# KiCad board backplane.kicad_pcb (continued)
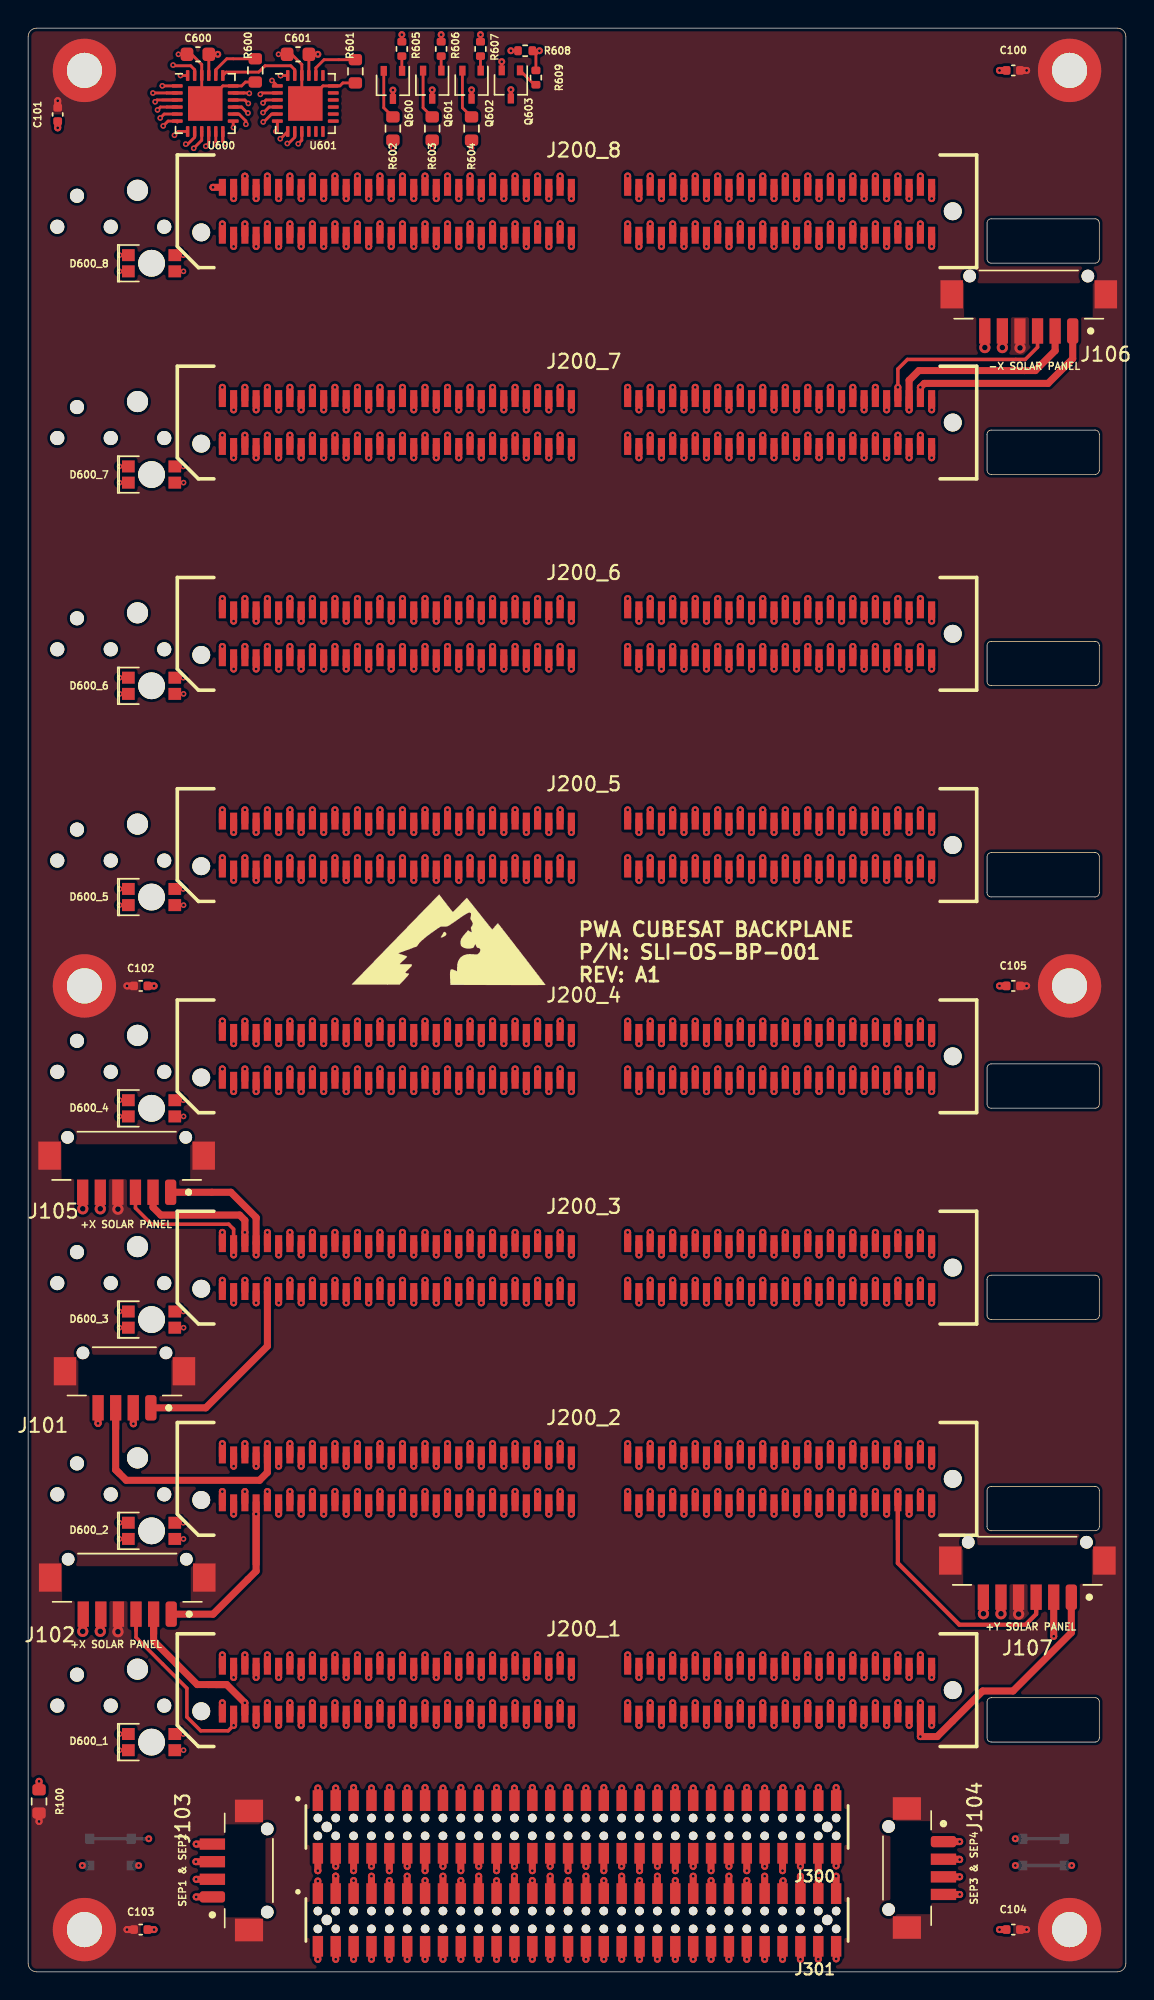
[diagram p0: board, top side]
## Routing (per net, layer and track width the routed paths; a pad name or vN(x,y) marks a point on that pad's centre or on a via; arc(x,y) is an arc through that point) (continued)
  In3.Cu w0.5: v1(52.2,127.5) 52.2,125.5 53,124.65 53,123.67 52.2,122.87 v1(52.2,112.5) 52.2,110.5 53,109.65 53,108.67 52.2,107.87 v1(52.2,97.5) 52.2,95.5 53,94.65 53,93.67 52.2,92.87 v1(52.2,82.5) 52.2,80.5 53,79.65 53,78.67 52.2,77.87 v1(52.2,67.5) 52.2,65.5 53,64.65 53,63.67 52.2,62.87 v1(52.2,52.5) 52.2,50.5 53,49.65 53,48.67 52.2,47.87 v1(52.2,37.5) 52.2,35.5 53,34.65 53,33.67 52.2,32.87 v1(52.2,22.5)
/H1-43: length 125.4
  Top w0.5: v1(53.8,124.1) 53.8,123.2 ; v1(53.8,19.1) 53.8,18.2 ; v1(53.8,34.1) 53.8,33.2 ; v1(53.8,49.1) 53.8,48.2 ; v1(53.8,64.1) 53.8,63.2 ; v1(53.8,79.1) 53.8,78.2 ; v1(53.8,94.1) 53.8,93.2 ; v1(53.8,109.1) 53.8,108.2 ; J300.47 v1(49.79,13.05)
  In1.Cu w0.25: v1(49.79,13.05) 53.8,17.05 v1(53.8,19.1)
  In1.Cu w0.5: v1(53.8,124.1) 53.8,122.3 54.6,121.5 54.6,112.1 53.8,111.3 v1(53.8,109.1) 53.8,107.3 54.6,106.5 54.6,97.1 53.8,96.3 v1(53.8,94.1) 53.8,92.3 54.6,91.5 54.6,82.1 53.8,81.3 v1(53.8,79.1) 53.8,77.3 54.6,76.5 54.6,67.1 53.8,66.3 v1(53.8,64.1) 53.8,62.3 54.6,61.5 54.6,52.1 53.8,51.3 v1(53.8,49.1) 53.8,47.3 54.6,46.5 54.6,37.1 53.8,36.3 v1(53.8,34.1) 53.8,32.3 54.6,31.5 54.6,22.1 53.8,21.3 v1(53.8,19.1)
/H1-44: length 135.6
  Top w0.5: v1(53.8,127.5) 53.8,126.6 ; v1(53.8,22.5) 53.8,21.6 ; v1(53.8,37.5) 53.8,36.6 ; v1(53.8,52.5) 53.8,51.6 ; v1(53.8,67.5) 53.8,66.6 ; v1(53.8,82.5) 53.8,81.6 ; v1(53.8,97.5) 53.8,96.6 ; v1(53.8,112.5) 53.8,111.6 ; J300.48 v1(49.79,7.49)
  In3.Cu w0.25: v1(53.8,22.5) 53.8,19.95 54.38,19.38 54.38,18.72 53.58,17.92 53.58,17.22 53.28,16.92 52.81,16.92 49.16,13.27 49.16,8.13 v1(49.79,7.49)
  In3.Cu w0.5: v1(53.8,127.5) 53.8,125.5 54.6,124.65 54.6,123.67 53.8,122.87 v1(53.8,112.5) 53.8,110.5 54.6,109.65 54.6,108.67 53.8,107.87 v1(53.8,97.5) 53.8,95.5 54.6,94.65 54.6,93.67 53.8,92.87 v1(53.8,82.5) 53.8,80.5 54.6,79.65 54.6,78.67 53.8,77.87 v1(53.8,67.5) 53.8,65.5 54.6,64.65 54.6,63.67 53.8,62.87 v1(53.8,52.5) 53.8,50.5 54.6,49.65 54.6,48.67 53.8,47.87 v1(53.8,37.5) 53.8,35.5 54.6,34.65 54.6,33.67 53.8,32.87 v1(53.8,22.5)
/H1-45: length 125.6
  Top w0.5: v1(55.4,124.1) 55.4,123.2 ; v1(55.4,19.1) 55.4,18.2 ; v1(55.4,34.1) 55.4,33.2 ; v1(55.4,49.1) 55.4,48.2 ; v1(55.4,64.1) 55.4,63.2 ; v1(55.4,79.1) 55.4,78.2 ; v1(55.4,94.1) 55.4,93.2 ; v1(55.4,109.1) 55.4,108.2 ; J300.49 v1(51.07,13.08)
  In1.Cu w0.25: v1(51.07,13.08) 51.07,13.11 55.4,17.45 v1(55.4,19.1)
  In1.Cu w0.5: v1(55.4,124.1) 55.4,122.3 56.2,121.5 56.2,112.1 55.4,111.3 v1(55.4,109.1) 55.4,107.3 56.2,106.5 56.2,97.1 55.4,96.3 v1(55.4,94.1) 55.4,92.3 56.2,91.5 56.2,82.1 55.4,81.3 v1(55.4,79.1) 55.4,77.3 56.2,76.5 56.2,67.1 55.4,66.3 v1(55.4,64.1) 55.4,62.3 56.2,61.5 56.2,52.1 55.4,51.3 v1(55.4,49.1) 55.4,47.3 56.2,46.5 56.2,37.1 55.4,36.3 v1(55.4,34.1) 55.4,32.3 56.2,31.5 56.2,22.1 55.4,21.3 v1(55.4,19.1)
/H1-46: length 136.6
  Top w0.5: v1(55.4,127.5) 55.4,126.6 ; v1(55.4,22.5) 55.4,21.6 ; v1(55.4,37.5) 55.4,36.6 ; v1(55.4,52.5) 55.4,51.6 ; v1(55.4,67.5) 55.4,66.6 ; v1(55.4,82.5) 55.4,81.6 ; v1(55.4,97.5) 55.4,96.6 ; v1(55.4,112.5) 55.4,111.6 ; J300.50 v1(51.07,7.18)
  In3.Cu w0.25: v1(51.07,7.18) 50.43,7.81 50.43,13.3 54.05,16.92 54.88,16.92 55.62,17.67 55.62,18.35 55.98,18.71 55.98,19.38 55.4,19.95 v1(55.4,22.5)
  In3.Cu w0.5: v1(55.4,127.5) 55.4,125.5 56.2,124.65 56.2,123.67 55.4,122.87 v1(55.4,112.5) 55.4,110.5 56.2,109.65 56.2,108.67 55.4,107.87 v1(55.4,97.5) 55.4,95.5 56.2,94.65 56.2,93.67 55.4,92.87 v1(55.4,82.5) 55.4,80.5 56.2,79.65 56.2,78.67 55.4,77.87 v1(55.4,67.5) 55.4,65.5 56.2,64.65 56.2,63.67 55.4,62.87 v1(55.4,52.5) 55.4,50.5 56.2,49.65 56.2,48.67 55.4,47.87 v1(55.4,37.5) 55.4,35.5 56.2,34.65 56.2,33.67 55.4,32.87 v1(55.4,22.5)
/H1-51: length 126.5
  Top w0.5: v1(60.2,124.1) 60.2,123.2 ; v1(60.2,19.1) 60.2,18.2 ; v1(60.2,34.1) 60.2,33.2 ; v1(60.2,49.1) 60.2,48.2 ; v1(60.2,64.1) 60.2,63.2 ; v1(60.2,79.1) 60.2,78.2 ; v1(60.2,94.1) 60.2,93.2 ; v1(60.2,109.1) 60.2,108.2 ; J300.55 v1(54.88,13.05)
  In1.Cu w0.25: v1(60.2,19.1) 60.2,17.48 58.51,15.79 57.62,15.79 v1(54.88,13.05)
  In1.Cu w0.5: v1(60.2,124.1) 60.2,122.3 61,121.5 61,112.1 60.2,111.3 v1(60.2,109.1) 60.2,107.3 61,106.5 61,97.1 60.2,96.3 v1(60.2,94.1) 60.2,92.3 61,91.5 61,82.1 60.2,81.3 v1(60.2,79.1) 60.2,77.3 61,76.5 61,67.1 60.2,66.3 v1(60.2,64.1) 60.2,62.3 61,61.5 61,52.1 60.2,51.3 v1(60.2,49.1) 60.2,47.3 61,46.5 61,37.1 60.2,36.3 v1(60.2,34.1) 60.2,32.3 61,31.5 61,22.1 60.2,21.3 v1(60.2,19.1)
/H1-52: length 137.3
  Top w0.5: v1(60.2,127.5) 60.2,126.6 ; v1(60.2,22.5) 60.2,21.6 ; v1(60.2,37.5) 60.2,36.6 ; v1(60.2,52.5) 60.2,51.6 ; v1(60.2,67.5) 60.2,66.6 ; v1(60.2,82.5) 60.2,81.6 ; v1(60.2,97.5) 60.2,96.6 ; v1(60.2,112.5) 60.2,111.6 ; J300.56 v1(54.88,7.49)
  In3.Cu w0.25: v1(60.2,22.5) 60.2,19.95 60.78,19.38 60.78,18.6 60.42,18.25 60.42,17.11 58.88,15.56 56.53,15.56 54.24,13.27 54.24,8.13 v1(54.88,7.49)
  In3.Cu w0.5: v1(60.2,127.5) 60.2,125.5 61,124.65 61,123.67 60.2,122.87 v1(60.2,112.5) 60.2,110.5 61,109.65 61,108.67 60.2,107.87 v1(60.2,97.5) 60.2,95.5 61,94.65 61,93.67 60.2,92.87 v1(60.2,82.5) 60.2,80.5 61,79.65 61,78.67 60.2,77.87 v1(60.2,67.5) 60.2,65.5 61,64.65 61,63.67 60.2,62.87 v1(60.2,52.5) 60.2,50.5 61,49.65 61,48.67 60.2,47.87 v1(60.2,37.5) 60.2,35.5 61,34.65 61,33.67 60.2,32.87 v1(60.2,22.5)
/H2-1: length 135.8
  Top w0.5: v1(17.8,122.5) 17.8,123.4 ; v1(17.8,17.5) 17.8,18.4 ; v1(17.8,32.5) 17.8,33.4 ; v1(17.8,47.5) 17.8,48.4 ; v1(17.8,62.5) 17.8,63.4 ; v1(17.8,77.5) 17.8,78.4 ; v1(17.8,92.5) 17.8,93.4 ; v1(17.8,107.5) 17.8,108.4 ; J301.5 v1(23.13,6.48)
  In4.Cu w0.25: 22.49,13.21 22.49,9.53 ; 22.49,9.53 22.49,13.27 18.26,17.5 v1(17.8,17.5) ; 22.49,9.53 22.49,7.49 ; 22.49,7.49 22.49,6.96 ; 22.49,7.49 22.49,6.76 22.77,6.48 v1(23.13,6.48) 22.97,6.48
  In4.Cu w0.5: 17.8,122.5 17.8,112.1 17,111.3 17,110.28 17.8,109.48 v1(17.8,107.5) ; 17.8,32.5 17.8,22.1 17,21.3 17,20.28 17.8,19.48 v1(17.8,17.5) ; 17.8,47.5 17.8,37.1 17,36.3 17,35.28 17.8,34.48 v1(17.8,32.5) ; 17.8,62.5 17.8,52.1 17,51.3 17,50.28 17.8,49.48 v1(17.8,47.5) ; 17.8,77.5 17.8,67.1 17,66.3 17,65.28 17.8,64.48 v1(17.8,62.5) ; 17.8,92.5 17.8,82.1 17,81.3 17,80.28 17.8,79.48 v1(17.8,77.5) ; 17.8,107.5 17.8,97.1 17,96.3 17,95.28 17.8,94.48 v1(17.8,92.5)
/H2-2: length 140.8
  Top w0.5: v1(17.8,125.9) 17.8,126.8 ; v1(17.8,20.9) 17.8,21.8 ; v1(17.8,35.9) 17.8,36.8 ; v1(17.8,50.9) 17.8,51.8 ; v1(17.8,65.9) 17.8,66.8 ; v1(17.8,80.9) 17.8,81.8 ; v1(17.8,95.9) 17.8,96.8 ; v1(17.8,110.9) 17.8,111.8 ; J301.6 v1(23.13,0.89)
  In2.Cu w0.25: v1(17.8,20.9) 17.8,18.94 18.38,18.36 18.38,17.38 22.49,13.27 22.49,12.19 ; 22.49,12.19 22.49,1.52 v1(23.13,0.89) ; 22.49,12.19 22.49,12.99 22.43,13.05
  In2.Cu w0.5: 17.8,125.9 17.8,123.68 17,122.87 17,122.3 17.8,121.5 v1(17.8,110.9) ; 17.8,110.9 17.8,108.68 17,107.87 17,107.3 17.8,106.5 v1(17.8,95.9) ; 17.8,95.9 17.8,93.68 17,92.87 17,92.3 17.8,91.5 v1(17.8,80.9) ; 17.8,80.9 17.8,78.68 17,77.87 17,77.3 17.8,76.5 v1(17.8,65.9) ; v1(17.8,35.9) 17.8,46.5 17,47.3 17,47.87 17.8,48.68 17.8,50.9 ; 17.8,65.9 17.8,63.68 17,62.87 17,62.3 17.8,61.5 v1(17.8,50.9) ; 17.8,35.9 17.8,33.68 17,32.87 17,32.3 17.8,31.5 v1(17.8,20.9)
/H2-3: length 131.2
  Top w0.5: v1(19.4,122.5) 19.4,123.4 ; v1(19.4,17.5) 19.4,18.4 ; v1(19.4,32.5) 19.4,33.4 ; v1(19.4,47.5) 19.4,48.4 ; v1(19.4,62.5) 19.4,63.4 ; v1(19.4,77.5) 19.4,78.4 ; v1(19.4,92.5) 19.4,93.4 ; v1(19.4,107.5) 19.4,108.4 ; J301.7 24.4,6.79
  In4.Cu w0.25: v1(19.4,17.5) 19.75,17.5 23.76,13.49 23.76,7.07 24.04,6.79 v1(24.39,6.79)
  In4.Cu w0.5: 19.4,122.5 19.4,112.1 18.6,111.3 18.6,110.28 19.4,109.48 v1(19.4,107.5) ; v1(19.4,17.5) 19.4,19.48 18.6,20.28 18.6,21.3 19.4,22.1 19.4,32.5 ; v1(19.4,32.5) 19.4,34.48 18.6,35.28 18.6,36.3 19.4,37.1 19.4,47.5 ; v1(19.4,47.5) 19.4,49.48 18.6,50.28 18.6,51.3 19.4,52.1 19.4,62.5 ; v1(19.4,62.5) 19.4,64.48 18.6,65.28 18.6,66.3 19.4,67.1 19.4,77.5 ; v1(19.4,77.5) 19.4,79.48 18.6,80.28 18.6,81.3 19.4,82.1 19.4,92.5 ; v1(19.4,92.5) 19.4,94.48 18.6,95.28 18.6,96.3 19.4,97.1 19.4,107.5
/H2-4: length 140.6
  Top w0.5: v1(19.4,125.9) 19.4,126.8 ; v1(19.4,20.9) 19.4,21.8 ; v1(19.4,35.9) 19.4,36.8 ; v1(19.4,50.9) 19.4,51.8 ; v1(19.4,65.9) 19.4,66.8 ; v1(19.4,80.9) 19.4,81.8 ; v1(19.4,95.9) 19.4,96.8 ; v1(19.4,110.9) 19.4,111.8 ; J301.8 v1(24.4,0.89)
  In2.Cu w0.25: v1(19.4,20.9) 19.4,18.94 19.98,18.36 19.98,17.08 23.76,13.3 23.76,12.19 ; v1(24.4,0.89) 23.76,1.52 23.76,12.19 ; 23.76,12.19 23.76,12.99
  In2.Cu w0.5: 19.4,125.9 19.4,123.68 18.6,122.87 18.6,122.3 19.4,121.5 v1(19.4,110.9) ; 19.4,110.9 19.4,108.68 18.6,107.87 18.6,107.3 19.4,106.5 v1(19.4,95.9) ; 19.4,95.9 19.4,93.68 18.6,92.87 18.6,92.3 19.4,91.5 v1(19.4,80.9) ; 19.4,80.9 19.4,78.68 18.6,77.87 18.6,77.3 19.4,76.5 v1(19.4,65.9) ; v1(19.4,35.9) 19.4,46.5 18.6,47.3 18.6,47.87 19.4,48.68 19.4,50.9 ; 19.4,65.9 19.4,63.68 18.6,62.87 18.6,62.3 19.4,61.5 v1(19.4,50.9) ; 19.4,35.9 19.4,33.68 18.6,32.87 18.6,32.3 19.4,31.5 v1(19.4,20.9)
/H2-5: length 130.9
  Top w0.5: v1(21,122.5) 21,123.4 ; v1(21,32.5) 21,33.4 ; v1(21,47.5) 21,48.4 ; v1(21,62.5) 21,63.4 ; v1(21,77.5) 21,78.4 ; v1(21,92.5) 21,93.4 ; v1(21,107.5) 21,108.4 ; J301.9 v1(25.66,6.48) ; 21,18.4 21,17.53 v1(20.97,17.5)
  In4.Cu w0.25: v1(20.97,17.5) 25.03,13.45 25.03,6.76 25.31,6.48 v1(25.66,6.48)
  In4.Cu w0.5: 21,122.5 21,112.1 20.2,111.3 20.2,110.28 21,109.48 v1(21,107.5) ; v1(21,32.5) 21,34.48 20.2,35.28 20.2,36.3 21,37.1 21,47.5 ; v1(21,47.5) 21,49.48 20.2,50.28 20.2,51.3 21,52.1 21,62.5 ; v1(21,62.5) 21,64.48 20.2,65.28 20.2,66.3 21,67.1 21,77.5 ; v1(21,77.5) 21,79.48 20.2,80.28 20.2,81.3 21,82.1 21,92.5 ; v1(21,92.5) 21,94.48 20.2,95.28 20.2,96.3 21,97.1 21,107.5 ; 21,32.5 21,22.1 20.2,21.3 20.2,20.28 20.97,19.5 v1(20.97,17.5)
/H2-6: length 141
  Top w0.5: v1(21,125.9) 21,126.8 ; v1(21,20.9) 21,21.8 ; v1(21,35.9) 21,36.8 ; v1(21,50.9) 21,51.8 ; v1(21,65.9) 21,66.8 ; v1(21,80.9) 21,81.8 ; v1(21,95.9) 21,96.8 ; v1(21,110.9) 21,111.8 ; J301.10 v1(25.66,0.89)
  In2.Cu w0.25: v1(21,20.9) 21,18.94 21.55,18.39 21.55,16.75 25.03,13.27 25.03,11.69 ; v1(25.66,0.89) 25.03,1.52 25.03,11.69 ; 25.03,11.69 25.03,12.99
  In2.Cu w0.5: 21,125.9 21,123.68 20.2,122.87 20.2,122.3 21,121.5 v1(21,110.9) ; 21,110.9 21,108.68 20.2,107.87 20.2,107.3 21,106.5 v1(21,95.9) ; 21,95.9 21,93.68 20.2,92.87 20.2,92.3 21,91.5 v1(21,80.9) ; 21,80.9 21,78.68 20.2,77.87 20.2,77.3 21,76.5 v1(21,65.9) ; v1(21,35.9) 21,46.5 20.2,47.3 20.2,47.87 21,48.68 21,50.9 ; 21,65.9 21,63.68 20.2,62.87 20.2,62.3 21,61.5 v1(21,50.9) ; 21,35.9 21,33.68 20.2,32.87 20.2,32.3 21,31.5 v1(21,20.9)
/H2-7: length 130.8
  Top w0.5: v1(22.6,122.5) 22.6,123.4 ; v1(22.6,17.5) 22.6,18.4 ; v1(22.6,32.5) 22.6,33.4 ; v1(22.6,47.5) 22.6,48.4 ; v1(22.6,62.5) 22.6,63.4 ; v1(22.6,77.5) 22.6,78.4 ; v1(22.6,92.5) 22.6,93.4 ; v1(22.6,107.5) 22.6,108.4 ; J301.11 26.93,6.79
  In4.Cu w0.25: v1(26.93,6.79) 26.58,6.79 26.3,7.07 26.3,13.72 22.6,17.42 v1(22.6,17.5)
  In4.Cu w0.5: 22.6,122.5 22.6,112.1 21.8,111.3 21.8,110.28 22.6,109.48 v1(22.6,107.5) ; 22.6,32.5 22.6,22.1 21.8,21.3 21.8,20.28 22.6,19.48 v1(22.6,17.5) ; 22.6,47.5 22.6,37.1 21.8,36.3 21.8,35.28 22.6,34.48 v1(22.6,32.5) ; 22.6,62.5 22.6,52.1 21.8,51.3 21.8,50.28 22.6,49.48 v1(22.6,47.5) ; 22.6,77.5 22.6,67.1 21.8,66.3 21.8,65.28 22.6,64.48 v1(22.6,62.5) ; 22.6,92.5 22.6,82.1 21.8,81.3 21.8,80.28 22.6,79.48 v1(22.6,77.5) ; 22.6,107.5 22.6,97.1 21.8,96.3 21.8,95.28 22.6,94.48 v1(22.6,92.5)
/H2-8: length 140.9
  Top w0.5: v1(22.6,125.9) 22.6,126.8 ; v1(22.6,20.9) 22.6,21.8 ; v1(22.6,35.9) 22.6,36.8 ; v1(22.6,50.9) 22.6,51.8 ; v1(22.6,65.9) 22.6,66.8 ; v1(22.6,80.9) 22.6,81.8 ; v1(22.6,95.9) 22.6,96.8 ; v1(22.6,110.9) 22.6,111.8 ; J301.12 v1(26.93,0.89)
  In2.Cu w0.25: v1(22.6,20.9) 22.6,18.94 23.18,18.36 23.18,16.42 26.3,13.3 26.3,11.68 ; v1(26.93,0.89) 26.3,1.52 26.3,11.68 ; 26.3,11.68 26.3,12.99
  In2.Cu w0.5: 22.6,125.9 22.6,123.68 21.8,122.87 21.8,122.3 22.6,121.5 v1(22.6,110.9) ; 22.6,110.9 22.6,108.68 21.8,107.87 21.8,107.3 22.6,106.5 v1(22.6,95.9) ; 22.6,95.9 22.6,93.68 21.8,92.87 21.8,92.3 22.6,91.5 v1(22.6,80.9) ; 22.6,80.9 22.6,78.68 21.8,77.87 21.8,77.3 22.6,76.5 v1(22.6,65.9) ; v1(22.6,35.9) 22.6,46.5 21.8,47.3 21.8,47.87 22.6,48.68 22.6,50.9 ; 22.6,65.9 22.6,63.68 21.8,62.87 21.8,62.3 22.6,61.5 v1(22.6,50.9) ; 22.6,35.9 22.6,33.68 21.8,32.87 21.8,32.3 22.6,31.5 v1(22.6,20.9)
/H2-9: length 130.6
  Top w0.5: v1(24.2,122.5) 24.2,123.4 ; v1(24.2,32.5) 24.2,33.4 ; v1(24.2,47.5) 24.2,48.4 ; v1(24.2,62.5) 24.2,63.4 ; v1(24.2,77.5) 24.2,78.4 ; v1(24.2,92.5) 24.2,93.4 ; v1(24.2,107.5) 24.2,108.4 ; J301.13 v1(28.21,6.48) ; v1(24.17,17.5) 24.2,17.53 24.2,18.4
  In4.Cu w0.25: v1(28.21,6.48) 27.85,6.48 27.57,6.76 27.57,13.59 24.17,16.98 v1(24.17,17.5)
  In4.Cu w0.5: 24.2,122.5 24.2,112.1 23.4,111.3 23.4,110.28 24.2,109.48 v1(24.2,107.5) ; v1(24.2,32.5) 24.2,34.48 23.4,35.28 23.4,36.3 24.2,37.1 24.2,47.5 ; v1(24.2,47.5) 24.2,49.48 23.4,50.28 23.4,51.3 24.2,52.1 24.2,62.5 ; v1(24.2,62.5) 24.2,64.48 23.4,65.28 23.4,66.3 24.2,67.1 24.2,77.5 ; v1(24.2,77.5) 24.2,79.48 23.4,80.28 23.4,81.3 24.2,82.1 24.2,92.5 ; v1(24.2,92.5) 24.2,94.48 23.4,95.28 23.4,96.3 24.2,97.1 24.2,107.5 ; 24.2,32.5 24.2,22.1 23.4,21.3 23.4,20.28 24.17,19.5 v1(24.17,17.5)
/H2-10: length 141.8
  Top w0.5: v1(24.2,125.9) 24.2,126.8 ; v1(24.2,20.9) 24.2,21.8 ; v1(24.2,35.9) 24.2,36.8 ; v1(24.2,50.9) 24.2,51.8 ; v1(24.2,65.9) 24.2,66.8 ; v1(24.2,80.9) 24.2,81.8 ; v1(24.2,95.9) 24.2,96.8 ; v1(24.2,110.9) 24.2,111.8 ; J301.14 v1(28.21,0.89)
  In2.Cu w0.25: v1(24.2,20.9) 24.2,18.94 24.75,18.39 24.75,17.25 ; v1(28.21,0.89) 27.57,1.52 27.57,11.69 ; 24.75,17.25 24.75,16.09 27.57,13.27 27.57,11.69 ; 24.75,17.25 24.75,18.31 ; 27.57,11.69 27.57,12.99
  In2.Cu w0.5: 24.2,125.9 24.2,123.68 23.4,122.87 23.4,122.3 24.2,121.5 v1(24.2,110.9) ; 24.2,110.9 24.2,108.68 23.4,107.87 23.4,107.3 24.2,106.5 v1(24.2,95.9) ; 24.2,95.9 24.2,93.68 23.4,92.87 23.4,92.3 24.2,91.5 v1(24.2,80.9) ; 24.2,80.9 24.2,78.68 23.4,77.87 23.4,77.3 24.2,76.5 v1(24.2,65.9) ; v1(24.2,35.9) 24.2,46.5 23.4,47.3 23.4,47.87 24.2,48.68 24.2,50.9 ; 24.2,65.9 24.2,63.68 23.4,62.87 23.4,62.3 24.2,61.5 v1(24.2,50.9) ; 24.2,35.9 24.2,33.68 23.4,32.87 23.4,32.3 24.2,31.5 v1(24.2,20.9)
/H2-11: length 130.5
  Top w0.5: v1(25.8,122.5) 25.8,123.4 ; v1(25.8,17.5) 25.8,18.4 ; v1(25.8,32.5) 25.8,33.4 ; v1(25.8,47.5) 25.8,48.4 ; v1(25.8,62.5) 25.8,63.4 ; v1(25.8,77.5) 25.8,78.4 ; v1(25.8,92.5) 25.8,93.4 ; v1(25.8,107.5) 25.8,108.4 ; J301.15 29.48,6.79
  In4.Cu w0.25: v1(25.8,17.5) 25.8,16.34 28.84,13.3 28.84,7.07 29.12,6.79 v1(29.47,6.79)
  In4.Cu w0.5: 25.8,122.5 25.8,112.1 25,111.3 25,110.28 25.8,109.48 v1(25.8,107.5) ; 25.8,32.5 25.8,22.1 25,21.3 25,20.28 25.8,19.48 v1(25.8,17.5) ; 25.8,47.5 25.8,37.1 25,36.3 25,35.28 25.8,34.48 v1(25.8,32.5) ; 25.8,62.5 25.8,52.1 25,51.3 25,50.28 25.8,49.48 v1(25.8,47.5) ; 25.8,77.5 25.8,67.1 25,66.3 25,65.28 25.8,64.48 v1(25.8,62.5) ; 25.8,92.5 25.8,82.1 25,81.3 25,80.28 25.8,79.48 v1(25.8,77.5) ; 25.8,107.5 25.8,97.1 25,96.3 25,95.28 25.8,94.48 v1(25.8,92.5)
/H2-12: length 140.1
  Top w0.5: v1(25.8,20.9) 25.8,21.8 ; v1(25.8,35.9) 25.8,36.8 ; v1(25.8,50.9) 25.8,51.8 ; v1(25.8,65.9) 25.8,66.8 ; v1(25.8,80.9) 25.8,81.8 ; v1(25.8,95.9) 25.8,96.8 ; v1(25.8,110.9) 25.8,111.8 ; v1(25.8,125.9) 25.8,126.8 ; J301.16 v1(29.48,0.89)
  In2.Cu w0.25: v1(25.8,20.9) 25.8,18.94 26.38,18.36 26.38,15.76 28.84,13.3 28.84,12.19 ; v1(29.48,0.89) 28.84,1.52 28.84,12.19 ; 28.84,12.19 28.84,12.99
  In2.Cu w0.5: 25.8,125.9 25.8,123.68 25,122.87 25,122.3 25.8,121.5 v1(25.8,110.9) ; 25.8,110.9 25.8,108.68 25,107.87 25,107.3 25.8,106.5 v1(25.8,95.9) ; 25.8,95.9 25.8,93.68 25,92.87 25,92.3 25.8,91.5 v1(25.8,80.9) ; 25.8,80.9 25.8,78.68 25,77.87 25,77.3 25.8,76.5 v1(25.8,65.9) ; v1(25.8,35.9) 25.8,46.5 25,47.3 25,47.87 25.8,48.68 25.8,50.9 ; 25.8,65.9 25.8,63.68 25,62.87 25,62.3 25.8,61.5 v1(25.8,50.9) ; 25.8,35.9 25.8,33.68 25,32.87 25,32.3 25.8,31.5 v1(25.8,20.9)
/H2-13: length 133.5
  Top w0.5: v1(27.4,122.5) 27.4,123.4 ; v1(27.4,32.5) 27.4,33.4 ; v1(27.4,47.5) 27.4,48.4 ; v1(27.4,62.5) 27.4,63.4 ; v1(27.4,77.5) 27.4,78.4 ; v1(27.4,92.5) 27.4,93.4 ; v1(27.4,107.5) 27.4,108.4 ; J301.17 v1(30.74,6.48) ; 27.4,18.4 27.4,17.53 v1(27.37,17.5)
  In4.Cu w0.25: v1(27.37,17.5) 27.37,16.32 30.11,13.59 30.11,6.76 30.39,6.48 v1(30.74,6.48)
  In4.Cu w0.3: 27.4,17.5 27.4,19.48 26.6,20.28
  In4.Cu w0.5: 27.4,122.5 27.4,112.1 26.6,111.3 26.6,110.28 27.4,109.48 v1(27.4,107.5) ; v1(27.4,32.5) 27.4,34.48 26.6,35.28 26.6,36.3 27.4,37.1 27.4,47.5 ; v1(27.4,47.5) 27.4,49.48 26.6,50.28 26.6,51.3 27.4,52.1 27.4,62.5 ; v1(27.4,62.5) 27.4,64.48 26.6,65.28 26.6,66.3 27.4,67.1 27.4,77.5 ; v1(27.4,77.5) 27.4,79.48 26.6,80.28 26.6,81.3 27.4,82.1 27.4,92.5 ; v1(27.4,92.5) 27.4,94.48 26.6,95.28 26.6,96.3 27.4,97.1 27.4,107.5 ; 27.4,32.5 27.4,22.1 26.6,21.3 26.6,20.28 27.4,19.48 27.4,17.53 v1(27.37,17.5)
/H2-14: length 140.4
  Top w0.5: v1(27.4,125.9) 27.4,126.8 ; v1(27.4,20.9) 27.4,21.8 ; v1(27.4,35.9) 27.4,36.8 ; v1(27.4,50.9) 27.4,51.8 ; v1(27.4,65.9) 27.4,66.8 ; v1(27.4,80.9) 27.4,81.8 ; v1(27.4,95.9) 27.4,96.8 ; v1(27.4,110.9) 27.4,111.8 ; J301.18 v1(30.74,0.89)
  In2.Cu w0.25: v1(27.4,20.9) 27.4,18.94 27.95,18.39 27.95,17.65 30.11,15.49 30.11,11.68 ; v1(30.74,0.89) 30.11,1.52 30.11,11.68 ; 30.11,11.68 30.11,12.99
  In2.Cu w0.5: 27.4,125.9 27.4,123.68 26.6,122.87 26.6,122.3 27.4,121.5 v1(27.4,110.9) ; 27.4,110.9 27.4,108.68 26.6,107.87 26.6,107.3 27.4,106.5 v1(27.4,95.9) ; 27.4,95.9 27.4,93.68 26.6,92.87 26.6,92.3 27.4,91.5 v1(27.4,80.9) ; 27.4,80.9 27.4,78.68 26.6,77.87 26.6,77.3 27.4,76.5 v1(27.4,65.9) ; v1(27.4,35.9) 27.4,46.5 26.6,47.3 26.6,47.87 27.4,48.68 27.4,50.9 ; 27.4,65.9 27.4,63.68 26.6,62.87 26.6,62.3 27.4,61.5 v1(27.4,50.9) ; 27.4,35.9 27.4,33.68 26.6,32.87 26.6,32.3 27.4,31.5 v1(27.4,20.9)
/H2-15: length 130.2
  Top w0.5: v1(29,122.5) 29,123.4 ; v1(29,17.5) 29,18.4 ; v1(29,32.5) 29,33.4 ; v1(29,47.5) 29,48.4 ; v1(29,62.5) 29,63.4 ; v1(29,77.5) 29,78.4 ; v1(29,92.5) 29,93.4 ; v1(29,107.5) 29,108.4 ; J301.19 32.02,6.79
  In4.Cu w0.25: v1(32.01,6.79) 31.66,6.79 31.38,7.07 31.38,13.3 29,15.68 v1(29,17.5)
  In4.Cu w0.5: 29,122.5 29,112.1 28.2,111.3 28.2,110.28 29,109.48 v1(29,107.5) ; 29,32.5 29,22.1 28.2,21.3 28.2,20.28 29,19.48 v1(29,17.5) ; 29,47.5 29,37.1 28.2,36.3 28.2,35.28 29,34.48 v1(29,32.5) ; 29,62.5 29,52.1 28.2,51.3 28.2,50.28 29,49.48 v1(29,47.5) ; 29,77.5 29,67.1 28.2,66.3 28.2,65.28 29,64.48 v1(29,62.5) ; 29,92.5 29,82.1 28.2,81.3 28.2,80.28 29,79.48 v1(29,77.5) ; 29,107.5 29,97.1 28.2,96.3 28.2,95.28 29,94.48 v1(29,92.5)
/H2-16: length 140.6
  Top w0.5: v1(29,125.9) 29,126.8 ; v1(29,20.9) 29,21.8 ; v1(29,35.9) 29,36.8 ; v1(29,50.9) 29,51.8 ; v1(29,65.9) 29,66.8 ; v1(29,80.9) 29,81.8 ; v1(29,95.9) 29,96.8 ; v1(29,110.9) 29,111.8 ; J301.20 v1(32.02,0.89)
  In2.Cu w0.25: v1(29,20.9) 29,18.94 29.58,18.36 29.58,17.64 31.38,15.84 31.38,11.43 ; v1(32.02,0.89) 31.38,1.52 31.38,11.43 ; 31.38,11.43 31.38,12.99
  In2.Cu w0.5: 29,125.9 29,123.68 28.2,122.87 28.2,122.3 29,121.5 v1(29,110.9) ; 29,110.9 29,108.68 28.2,107.87 28.2,107.3 29,106.5 v1(29,95.9) ; 29,95.9 29,93.68 28.2,92.87 28.2,92.3 29,91.5 v1(29,80.9) ; 29,80.9 29,78.68 28.2,77.87 28.2,77.3 29,76.5 v1(29,65.9) ; v1(29,35.9) 29,46.5 28.2,47.3 28.2,47.87 29,48.68 29,50.9 ; 29,65.9 29,63.68 28.2,62.87 28.2,62.3 29,61.5 v1(29,50.9) ; 29,35.9 29,33.68 28.2,32.87 28.2,32.3 29,31.5 v1(29,20.9)
/H2-17: length 130.1
  Top w0.5: v1(30.6,122.5) 30.6,123.4 ; v1(30.6,32.5) 30.6,33.4 ; v1(30.6,47.5) 30.6,48.4 ; v1(30.6,62.5) 30.6,63.4 ; v1(30.6,77.5) 30.6,78.4 ; v1(30.6,92.5) 30.6,93.4 ; v1(30.6,107.5) 30.6,108.4 ; J301.21 v1(33.29,6.47) ; v1(30.57,17.5) 30.6,17.53 30.6,18.4
  In4.Cu w0.25: 33.29,6.48 32.93,6.48 32.65,6.76 32.65,13.59 30.57,15.66 v1(30.57,17.5)
  In4.Cu w0.5: 30.6,122.5 30.6,112.1 29.8,111.3 29.8,110.28 30.6,109.48 v1(30.6,107.5) ; 30.6,47.5 30.6,37.1 29.8,36.3 29.8,35.28 30.6,34.48 v1(30.6,32.5) ; 30.6,62.5 30.6,52.1 29.8,51.3 29.8,50.28 30.6,49.48 v1(30.6,47.5) ; 30.6,77.5 30.6,67.1 29.8,66.3 29.8,65.28 30.6,64.48 v1(30.6,62.5) ; 30.6,92.5 30.6,82.1 29.8,81.3 29.8,80.28 30.6,79.48 v1(30.6,77.5) ; 30.6,107.5 30.6,97.1 29.8,96.3 29.8,95.28 30.6,94.48 v1(30.6,92.5) ; 30.6,32.5 30.6,22.1 29.8,21.3 29.8,20.28 30.57,19.5 v1(30.57,17.5)
/H2-18: length 139.9
  Top w0.5: v1(30.6,125.9) 30.6,126.8 ; v1(30.6,20.9) 30.6,21.8 ; v1(30.6,35.9) 30.6,36.8 ; v1(30.6,50.9) 30.6,51.8 ; v1(30.6,65.9) 30.6,66.8 ; v1(30.6,80.9) 30.6,81.8 ; v1(30.6,95.9) 30.6,96.8 ; v1(30.6,110.9) 30.6,111.8 ; J301.22 v1(33.29,0.89)
  In2.Cu w0.25: v1(30.6,20.9) 30.6,18.94 31.15,18.39 31.15,16.71 32.65,15.21 32.65,11.94 ; v1(33.29,0.89) 32.65,1.52 32.65,11.94 ; 32.65,11.94 32.65,12.99
  In2.Cu w0.5: 30.6,125.9 30.6,123.68 29.8,122.87 29.8,122.3 30.6,121.5 v1(30.6,110.9) ; 30.6,110.9 30.6,108.68 29.8,107.87 29.8,107.3 30.6,106.5 v1(30.6,95.9) ; 30.6,95.9 30.6,93.68 29.8,92.87 29.8,92.3 30.6,91.5 v1(30.6,80.9) ; 30.6,80.9 30.6,78.68 29.8,77.87 29.8,77.3 30.6,76.5 v1(30.6,65.9) ; v1(30.6,35.9) 30.6,46.5 29.8,47.3 29.8,47.87 30.6,48.68 30.6,50.9 ; 30.6,65.9 30.6,63.68 29.8,62.87 29.8,62.3 30.6,61.5 v1(30.6,50.9) ; 30.6,35.9 30.6,33.68 29.8,32.87 29.8,32.3 30.6,31.5 v1(30.6,20.9)
/H2-19: length 129.9
  Top w0.5: v1(32.2,122.5) 32.2,123.4 ; v1(32.2,17.5) 32.2,18.4 ; v1(32.2,32.5) 32.2,33.4 ; v1(32.2,47.5) 32.2,48.4 ; v1(32.2,62.5) 32.2,63.4 ; v1(32.2,77.5) 32.2,78.4 ; v1(32.2,92.5) 32.2,93.4 ; v1(32.2,107.5) 32.2,108.4 ; J301.23 34.55,6.79
  In4.Cu w0.25: v1(32.2,17.5) 32.2,15.01 33.92,13.29 33.92,7.07 34.2,6.79 v1(34.55,6.79)
  In4.Cu w0.5: 32.2,122.5 32.2,112.1 31.4,111.3 31.4,110.28 32.2,109.48 v1(32.2,107.5) ; 32.2,32.5 32.2,22.1 31.4,21.3 31.4,20.28 32.2,19.48 v1(32.2,17.5) ; 32.2,47.5 32.2,37.1 31.4,36.3 31.4,35.28 32.2,34.48 v1(32.2,32.5) ; 32.2,62.5 32.2,52.1 31.4,51.3 31.4,50.28 32.2,49.48 v1(32.2,47.5) ; 32.2,77.5 32.2,67.1 31.4,66.3 31.4,65.28 32.2,64.48 v1(32.2,62.5) ; 32.2,92.5 32.2,82.1 31.4,81.3 31.4,80.28 32.2,79.48 v1(32.2,77.5) ; 32.2,107.5 32.2,97.1 31.4,96.3 31.4,95.28 32.2,94.48 v1(32.2,92.5)
/H2-20: length 140.5
  Top w0.5: v1(32.2,125.9) 32.2,126.8 ; v1(32.2,20.9) 32.2,21.8 ; v1(32.2,35.9) 32.2,36.8 ; v1(32.2,50.9) 32.2,51.8 ; v1(32.2,65.9) 32.2,66.8 ; v1(32.2,80.9) 32.2,81.8 ; v1(32.2,95.9) 32.2,96.8 ; v1(32.2,110.9) 32.2,111.8 ; J301.24 v1(34.55,0.89)
  In2.Cu w0.25: v1(32.2,20.9) 32.2,18.94 32.78,18.36 32.78,17.22 33.92,16.08 33.92,11.17 ; v1(34.55,0.89) 33.92,1.52 33.92,11.17 ; 33.92,11.17 33.92,12.99
  In2.Cu w0.5: 32.2,125.9 32.2,123.68 31.4,122.87 31.4,122.3 32.2,121.5 v1(32.2,110.9) ; 32.2,110.9 32.2,108.68 31.4,107.87 31.4,107.3 32.2,106.5 v1(32.2,95.9) ; 32.2,95.9 32.2,93.68 31.4,92.87 31.4,92.3 32.2,91.5 v1(32.2,80.9) ; 32.2,80.9 32.2,78.68 31.4,77.87 31.4,77.3 32.2,76.5 v1(32.2,65.9) ; v1(32.2,35.9) 32.2,46.5 31.4,47.3 31.4,47.87 32.2,48.68 32.2,50.9 ; 32.2,65.9 32.2,63.68 31.4,62.87 31.4,62.3 32.2,61.5 v1(32.2,50.9) ; 32.2,35.9 32.2,33.68 31.4,32.87 31.4,32.3 32.2,31.5 v1(32.2,20.9)
/H2-21: length 129.8
  Top w0.5: v1(33.8,122.5) 33.8,123.4 ; v1(33.8,17.5) 33.8,18.4 ; v1(33.8,32.5) 33.8,33.4 ; v1(33.8,47.5) 33.8,48.4 ; v1(33.8,62.5) 33.8,63.4 ; v1(33.8,77.5) 33.8,78.4 ; v1(33.8,92.5) 33.8,93.4 ; v1(33.8,107.5) 33.8,108.4 ; J301.25 v1(35.82,6.48)
  In4.Cu w0.25: v1(33.8,17.5) 33.8,14.98 35.19,13.59 35.19,6.76 35.47,6.48 v1(35.82,6.48)
  In4.Cu w0.5: 33.8,122.5 33.8,112.1 33,111.3 33,110.28 33.8,109.48 v1(33.8,107.5) ; 33.8,32.5 33.8,22.1 33,21.3 33,20.28 33.8,19.48 v1(33.8,17.5) ; 33.8,47.5 33.8,37.1 33,36.3 33,35.28 33.8,34.48 v1(33.8,32.5) ; 33.8,62.5 33.8,52.1 33,51.3 33,50.28 33.8,49.48 v1(33.8,47.5) ; 33.8,77.5 33.8,67.1 33,66.3 33,65.28 33.8,64.48 v1(33.8,62.5) ; 33.8,92.5 33.8,82.1 33,81.3 33,80.28 33.8,79.48 v1(33.8,77.5) ; 33.8,107.5 33.8,97.1 33,96.3 33,95.28 33.8,94.48 v1(33.8,92.5)
/H2-22: length 139.6
  Top w0.5: v1(33.8,125.9) 33.8,126.8 ; v1(33.8,20.9) 33.8,21.8 ; v1(33.8,35.9) 33.8,36.8 ; v1(33.8,50.9) 33.8,51.8 ; v1(33.8,65.9) 33.8,66.8 ; v1(33.8,80.9) 33.8,81.8 ; v1(33.8,95.9) 33.8,96.8 ; v1(33.8,110.9) 33.8,111.8 ; J301.26 v1(35.82,0.89)
  In2.Cu w0.25: v1(33.8,20.9) 33.8,18.94 34.38,18.36 34.38,17.58 35.19,16.76 35.19,11.94 ; v1(35.82,0.89) 35.19,1.52 35.19,11.94 ; 35.19,11.94 35.19,12.99
  In2.Cu w0.5: 33.8,125.9 33.8,123.68 33,122.87 33,122.3 33.8,121.5 v1(33.8,110.9) ; 33.8,110.9 33.8,108.68 33,107.87 33,107.3 33.8,106.5 v1(33.8,95.9) ; 33.8,95.9 33.8,93.68 33,92.87 33,92.3 33.8,91.5 v1(33.8,80.9) ; 33.8,80.9 33.8,78.68 33,77.87 33,77.3 33.8,76.5 v1(33.8,65.9) ; v1(33.8,35.9) 33.8,46.5 33,47.3 33,47.87 33.8,48.68 33.8,50.9 ; 33.8,65.9 33.8,63.68 33,62.87 33,62.3 33.8,61.5 v1(33.8,50.9) ; 33.8,35.9 33.8,33.68 33,32.87 33,32.3 33.8,31.5 v1(33.8,20.9)
/H2-23: length 129.7
  Top w0.5: 35.4,122.5 35.4,123.4 ; 35.4,17.5 35.4,18.4 ; 35.4,32.5 35.4,33.4 ; 35.4,47.5 35.4,48.4 ; 35.4,62.5 35.4,63.4 ; 35.4,77.5 35.4,78.4 ; 35.4,92.5 35.4,93.4 ; 35.4,107.5 35.4,108.4 ; J301.27 37.1,6.79
  In4.Cu w0.25: v1(37.09,6.79) 36.74,6.79 36.46,7.07 36.46,13.3 35.4,14.36 v1(35.4,17.5)
  In4.Cu w0.5: v1(35.4,122.5) 35.4,112.1 34.6,111.3 34.6,110.28 35.4,109.48 35.4,107.5 ; v1(35.4,32.5) 35.4,22.1 34.6,21.3 34.6,20.28 35.4,19.48 35.4,17.5 ; v1(35.4,47.5) 35.4,37.1 34.6,36.3 34.6,35.28 35.4,34.48 35.4,32.5 ; v1(35.4,62.5) 35.4,52.1 34.6,51.3 34.6,50.28 35.4,49.48 35.4,47.5 ; v1(35.4,77.5) 35.4,67.1 34.6,66.3 34.6,65.28 35.4,64.48 35.4,62.5 ; v1(35.4,92.5) 35.4,82.1 34.6,81.3 34.6,80.28 35.4,79.48 35.4,77.5 ; v1(35.4,107.5) 35.4,97.1 34.6,96.3 34.6,95.28 35.4,94.48 35.4,92.5
